# Altium PCB Motor_Controller.PcbDoc (part 2 of 2)
Units mm, origin at the board's own origin, x right, y up, seen from the top; angles counter-clockwise.
Board outline 87 x 70 mm, 4 copper layers (Top Layer, Layer 1, Layer 2, Bottom Layer), stack 0.603 mm thick; 105 components, 67 nets, 349 pads, 167 vias.
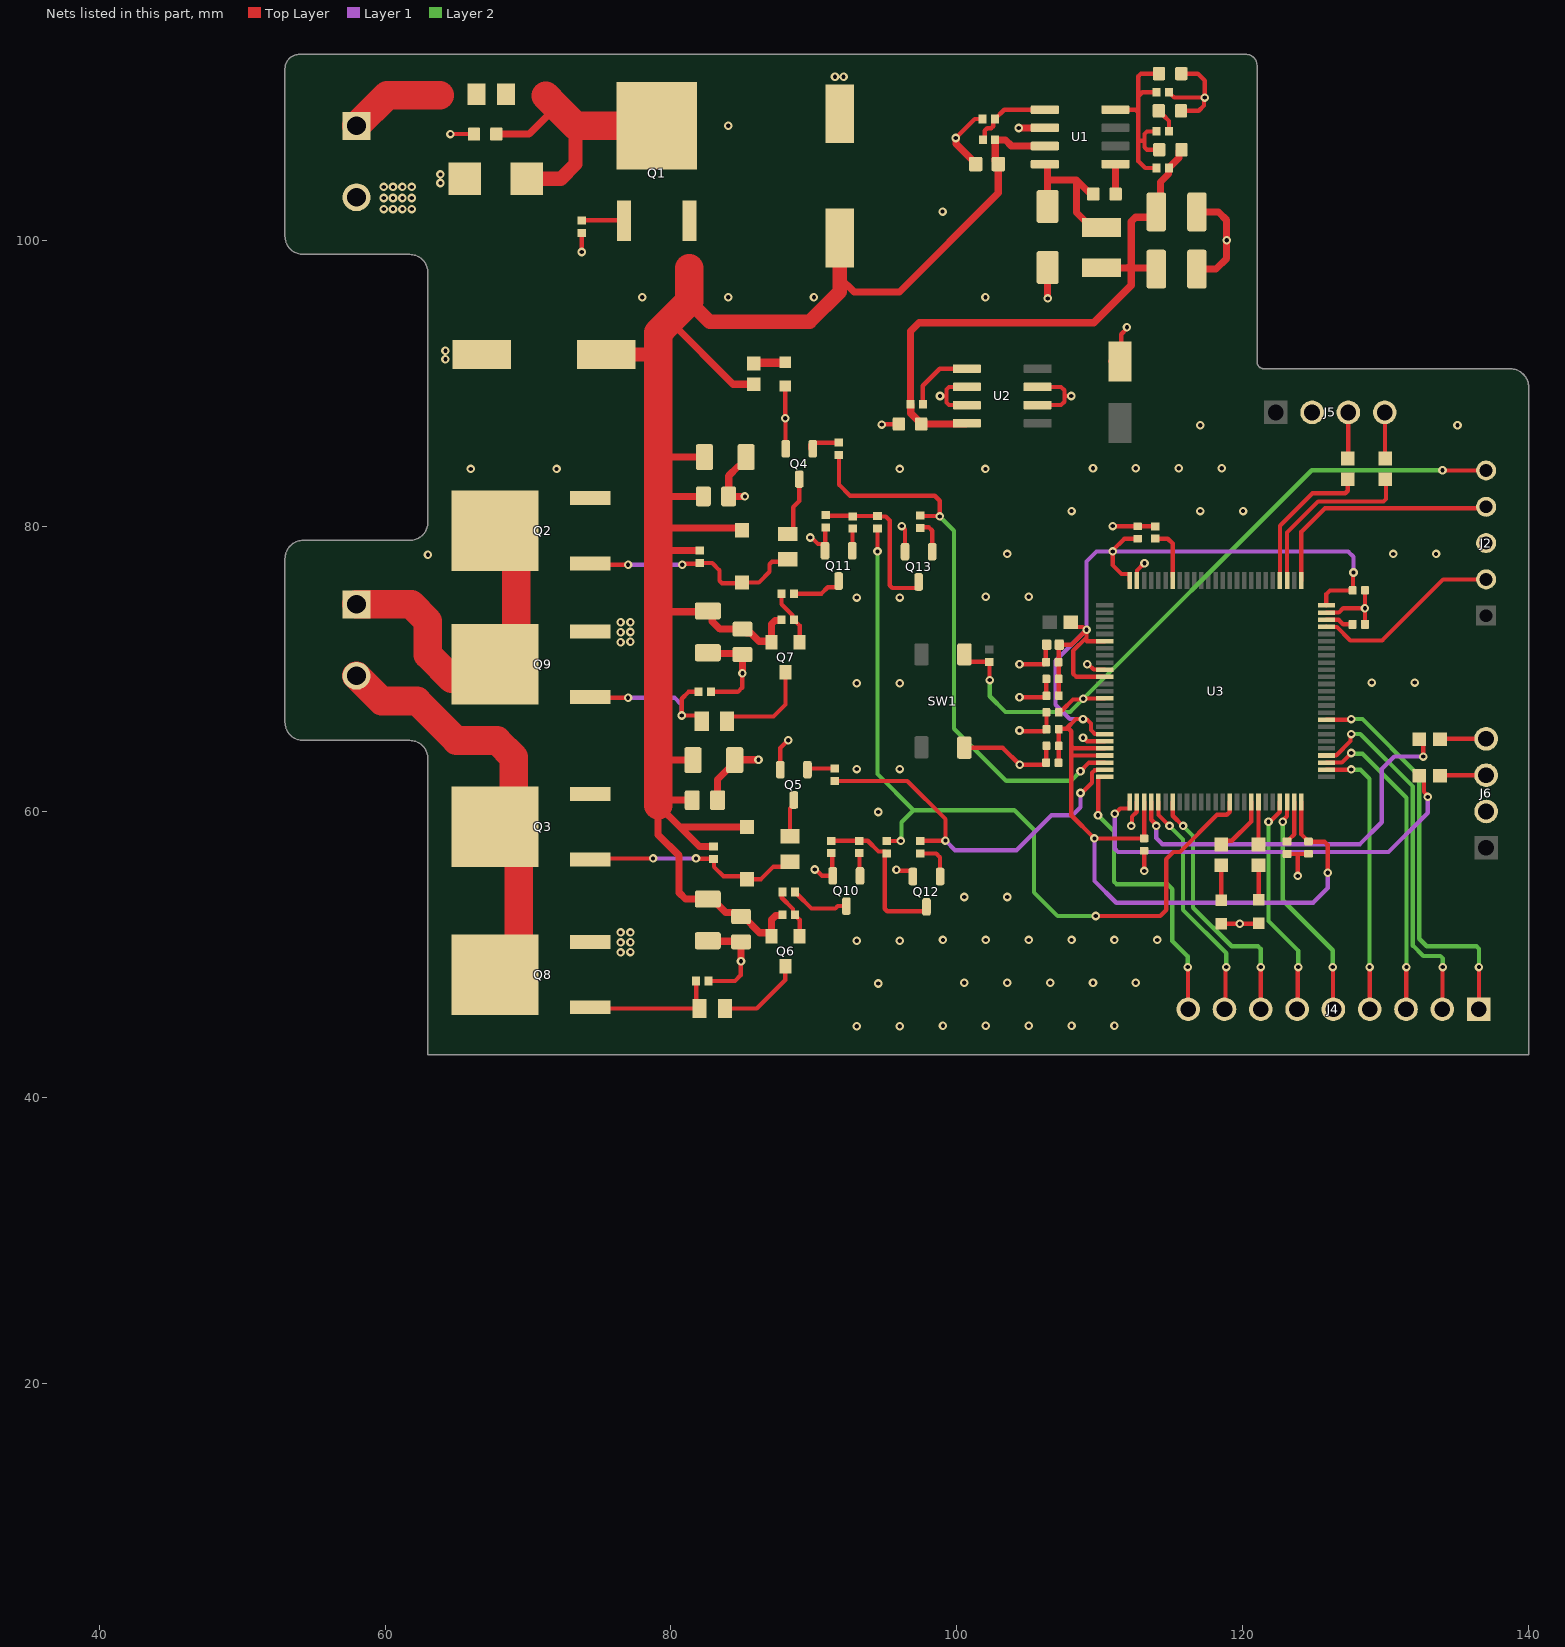
[diagram p4: the nets of this part, all layers, seen from the top]

## Via types
v1: diameter 0.6, hole 0.3, Top Layer to Bottom Layer, tented both sides, 137 vias
v2: diameter 0.6, hole 0.3, Top Layer to Bottom Layer, 30 vias

## Nets (pads, with @x,y where several pads share a name; then routed paths per layer and width w, separated by ;. In a path a pad name is that pad's centre, name@x,y a point inside that pad or via, vN(x,y) a via of type N, cw(c..) or ccw(c..) an arc to the next point about the centre after c; other vN are vias at no path point) (continued)
+5V: C2.2 C3.2 C4.2 C34.2 L1.2 R2.2 R7.1 U2.8 | length 42.4
  Top Layer w0.5: U2.8@100.65,87.145 99.965,87.145 99.955,87.135 C34.2@97.505,87.135 97.505,87.165 96.78,87.89 96.78,88.505 R7.1@96.75,88.535 96.75,93.632 97.343,94.225 109.575,94.225 112.2,96.85 112.2,98.065 ; L1.2@110.125,98.065 111.994,98.065 ; C4.2@113.954,97.975 113.864,98.065 112.2,98.065 ; C2.2@115.715,106.425 115.53,106.24 115.53,105.755 114.845,105.07 R2.2@114.845,105.05 114.815,105.02 114.815,104.64 114.25,104.075 114.25,102.271 C3.2@113.954,101.975 113.579,101.6 112.493,101.6 112.2,101.307 112.2,98.271 111.994,98.065 ; 111.994,98.065 112.2,98.065
+Vin: F1.2 J1.1 | length 6.7
  Top Layer w2: J1.1@58,108 60.15,110.15 63.814,110.15
+Vp: C5.1 C6.2 C25.1 C26.2 C27.2 C28.2 C29.2 C30.1 C31.2 C32.2 C33.1 D6.C D7.C Q1.3 Q2.3 Q3.3 Q6.2 Q7.2 R1.2 R8.2 R13.2 R14.2 R19.2 R20.2 U1.7 | length 145
  Top Layer w0.5: 79.1,63.725 79.2,63.625 C28.2@81.54,63.625 ; 79.1,74.003 C30.1@82.575,74.003 ; 79.1,78.285 R13.2@82,78.285 ; 79.1,79.8 79.175,79.875 84.8,79.875 D6.C@84.975,79.7 ; 79.1,82 79.175,82.075 C26.2@82.262,82.075 ; 79.1,84.75 79.175,84.825 C27.2@82.34,84.825 ; 79.85,94.275 80,94.275 84.35,89.925 R8.2@85.8,89.925 ; C29.2@81.487,60.825 79.45,60.825 79.1,60.475 ; C30.1@82.885,73.635 82.885,73.325 83.422,72.788 C33.1@85,72.788 85.275,72.513 85.587,72.513 86.158,71.942 86.973,71.942 Q7.2@87.04,71.875 ; R14.2@82.975,57.585 81.99,57.585 80.625,58.95 ; D7.C@85.325,58.95 80.625,58.95 ; Q6.2@87.04,51.3 Q6.2@87.04,51.375 ; Q7.2@87.04,71.95 87.04,73.157 87.283,73.4 87.71,73.4 87.74,73.43 R19.2@87.74,73.45 ; R20.2@87.805,52.8 87.805,52.78 87.775,52.75 87.333,52.75 87.04,52.457 Q6.2@87.04,51.375 ; 91.8,97.397 92.822,96.375 95.983,96.375 102.9,103.292 C6.2@102.9,105.325 102.685,105.54 R1.2@102.685,107.025 ; R1.2@102.715,107 103.4,107 103.8,106.6 106.145,106.6 U1.7@106.155,106.59 ; 79.1,60.475 80.625,58.95 ; 79.1,60.475 79.1,58.41 80.575,56.935 80.575,54.35 81.015,53.91 C31.2@82.575,53.91 82.885,53.91 83.832,52.963 84.625,52.963 C32.2@84.9,52.688 85.065,52.688 86.203,51.55 86.865,51.55 Q6.2@87.04,51.375
  Top Layer w1: C25.1@75.475,92 79.05,92 ; 79.1,92.05 79.05,92 ; 79.425,92 79.1,92 79.05,92 ; 81.29,95.715 82.705,94.3 89.7,94.3 91.8,96.4 91.8,97.397 C5.1@91.8,100.15
  Top Layer w2: 79.1,60.475 79.1,63.725 79.1,74.003 79.1,78.285 79.1,79.8 79.1,82 79.1,84.75 79.1,92 79.1,92.05 79.1,93.525 79.85,94.275 81.29,95.715 81.29,98.025
\n\R\S\T\: C24.2 J2.5 R10.1 SW1.4 U3.14 | length 50.3
  Top Layer w0.3: SW1.4@100.525,71.025 100.525,70.855 100.875,70.505 R10.1@102.275,70.505 102.287,70.492 102.287,69.238 v1(102.3,69.225) ; C24.2@107.132,66.975 107.132,66.994 107.252,67.114 107.372,67.114 108.125,67.868 108.793,67.868 108.865,67.94 110.34,67.94 U3.14@110.35,67.95 ; v1(133.975,83.9) 133.98,83.895 137.02,83.895 J2.5@137.025,83.89
  Layer 2 w0.3: v1(102.3,69.225) 102.3,68.1 103.4,67 107.925,67 124.825,83.9 v1(133.975,83.9)
  other v1: 108.85,67.925
GND: C3.1 C4.1 C5.2 C6.1 C7.1 C8.1 C9.2 C10.1 C11.1 C12.1 C13.1 C14.1 C15.1 C16.1 C17.1 C18.1 C19.1 C20.1 C21.1 C22.1 C23.1 C24.1 C25.2 C26.1 C27.1 C28.1 C29.1 C30.2 C31.1 C32.1 C33.2 C34.1 D1.A D2.A D3.C D4.C D5.C J1.2 J2.3 J5.2 J6.2 Q4.2 Q5.2 Q8.3 Q9.3 Q10.2 Q11.2 Q12.2 Q13.2 R3.1 R4.1 R6.1 R9.2 R29.2 R30.1 R31.2 R32.1 SW1.2 U1.6 U2.2 U2.3 U2.6 U2.7 U3.10 U3.20 U3.27 U3.74 U3.99 | length 119.5
  Top Layer w0.3: v1(64.575,107.425) C7.1@66.22,107.425 ; v1(73.75,99.175) R3.1@73.75,100.515 ; R30.1@82.635,48.175 84.475,48.175 84.875,48.575 84.875,49.525 v1(84.9,49.55) ; R29.2@82.785,68.4 84.682,68.4 84.981,68.699 v1@84.981,69.681 ; Q5.2@87.65,62.96 87.65,64.475 v1(88.2,65.025) ; D3.C@88,89.8 v1(88,87.55) 88.013,87.537 88.013,85.423 Q4.2@88.025,85.41 ; v1(89.75,79.2) 89.831,79.2 90.291,78.74 90.625,78.74 90.775,78.59 Q11.2@90.775,78.275 90.8,78.3 90.8,79.865 R31.2@90.825,79.89 ; v1(90.05,55.975) 90.131,55.975 90.571,55.535 Q10.2@91.325,55.535 91.275,55.585 91.275,57.065 R32.1@91.225,57.115 ; v1(94.75,87.1) 94.768,87.118 95.927,87.118 C34.1@95.945,87.135 ; v1(95.775,55.95) 95.832,55.893 96.775,55.893 96.925,55.743 Q12.2@96.925,55.485 ; v1(96.15,80) 96.375,79.775 Q13.2@96.375,78.21 ; v1(98.82,89.1) 99.275,89.1 ; v1(99.925,107.15) 101.25,108.475 R4.1@101.805,108.475 ; SW1.2@100.525,64.497 103.203,64.497 v1(104.4,63.3) 106.123,63.3 106.243,63.42 C13.1@106.243,63.45 ; U2.7@100.7,88.465 99.451,88.465 99.275,88.641 99.275,89.1 ; U2.6@100.7,89.735 99.451,89.735 99.275,89.559 99.275,89.1 ; v1(104.381,65.7) 104.431,65.65 106.148,65.65 106.268,65.77 C16.1@106.268,65.793 C24.1@106.268,66.964 ; v1(104.381,68.025) 106.193,68.025 C15.1@106.268,68.1 ; v1@104.381,70.275 104.462,70.275 104.52,70.332 106.123,70.332 106.243,70.452 C18.1@106.243,70.479 ; U2.2@105.65,88.465 107.29,88.465 107.525,88.7 107.525,89.1 ; U2.3@105.65,89.735 107.29,89.735 107.525,89.5 107.525,89.1 ; C18.1@106.229,70.493 106.229,71.643 C17.1@106.286,71.7 ; C13.1@106.255,63.45 106.255,64.612 C14.1@106.268,64.625 ; C15.1@106.263,68.105 C19.1@106.263,69.195 ; v1(108,89.1) 107.525,89.1 ; v1@108.775,65.2 108.856,65.2 109.106,64.95 U3.20@110.35,64.95 ; v1(109.125,70.325) 109.206,70.325 109.571,69.96 110.34,69.96 U3.10@110.35,69.95 ; C9.2@110.725,91.525 C9.2@111.375,92.175 ; v1(110.9,80) 110.909,79.991 112.641,79.991 C23.1@112.65,79.982 112.651,79.984 113.873,79.984 R9.2@113.875,79.985 ; C9.2@111.5,92.175 111.5,93.419 v1@111.9,93.819 ; v1@111.775,93.819 v1@111.775,93.9 ; v1(112.2,59.025) 112.257,59.082 112.257,59.673 112.59,60.006 112.59,60.69 U3.27@112.6,60.7 ; U3.99@112.6,76.2 112.61,76.21 112.61,76.894 113.116,77.4 v1(113.125,77.4) ; v1(113.1,55.875) C20.1@113.1,57.286 ; R6.1@114.835,110.35 114.835,110.33 114.965,110.2 114.985,110.2 115.21,109.975 v1(117.35,109.975) ; C8.1@115.68,109.05 116.924,109.05 117.293,109.418 117.293,109.918 v1(117.35,109.975) ; C10.1@115.7,111.65 116.85,111.65 117.35,111.15 v1(117.35,109.975) ; D5.C@118.512,52.188 D5.C@118.5,52.175 v1(119.8,52.175) 119.812,52.188 121.113,52.188 D4.C@121.125,52.2 ; C12.1@123.1,57.065 C12.1@123.1,57.065 123.85,57.067 ; v1(123.85,55.525) 123.85,57.067 ; C21.1@124.6,57.068 124.599,57.067 123.85,57.067 ; U3.74@125.85,73.95 126.725,73.95 127.025,74.25 v1(128.55,74.25) ; C22.1@128.55,75.5 v1(128.55,74.25) ; C11.1@128.553,73.125 128.551,73.127 128.551,74.249 v1(128.55,74.25)
  Top Layer w0.5: C31.1@82.575,50.99 82.614,50.951 84.861,50.951 C32.1@84.9,50.912 v1(84.9,49.55) ; C30.2@82.575,71.14 82.639,71.076 84.936,71.076 C33.2@85,71.012 85,70.587 v1(85,69.7) v1@84.981,69.681 ; C29.1@83.276,60.838 C29.1@83.263,60.825 83.263,62.265 83.963,62.965 84.11,62.965 84.46,63.315 C28.1@84.46,63.625 84.485,63.65 v1(86.125,63.65) ; v1(85.175,82.075) C26.1@84.038,82.075 84.038,83.515 84.688,84.165 84.91,84.165 85.26,84.515 C27.1@85.26,84.825 C27.1@85.285,84.8 ; v1(99.925,107.15) 99.944,107.131 99.944,106.741 101.32,105.365 C6.1@101.32,105.325 ; v1(104.325,107.85) 104.33,107.855 106.15,107.855 U1.6@106.155,107.86 ; v1(106.35,95.925) D1.A@106.35,98.09 ; C4.1@116.796,97.975 118.125,97.975 118.875,98.725 v1(118.875,100) 118.875,101.4 118.3,101.975 C3.1@116.796,101.975
  other v1: 93,45 96,45 99.025,45.05 102.025,45.05 105.025,45.05 108.025,45.05 111.025,45.05 94.5,48 100.525,48.05 103.525,48.05 106.525,48.05 109.525,48.05 112.525,48.05 93,51 96,51 99.025,51.05 102.025,51.05 105.025,51.05 108.025,51.05 111.025,51.05 114.025,51.05 100.525,54.05 103.525,54.05 94.5,60 93,63 96,63 108.825,65.2 93,69 96,69 129.025,69.05 132.025,69.05 104.381,70.325 93,75 96,75 102.025,75.05 105.025,75.05 63,78 103.525,78.05 130.525,78.05 133.525,78.05 108.025,81.05 117.025,81.05 120.025,81.05 66,84 72,84 96,84 102,84 109.525,84.05 112.525,84.05 115.525,84.05 118.525,84.05 117.025,87.05 135.025,87.05 111.9,93.9 78,96 84,96 90,96 102,96 99,102 84,108
  other v2: 76.475,50.175 77.164,50.2 76.475,50.875 77.164,50.888 76.475,51.575 77.164,51.575 76.475,71.875 77.164,71.9 76.475,72.575 77.164,72.588 76.475,73.275 77.164,73.275 64.225,91.675 64.225,92.275 59.9,102.175 60.557,102.175 61.214,102.175 61.87,102.175 59.9,102.95 60.557,102.95 61.214,102.95 61.87,102.95 59.9,103.725 60.557,103.725 61.214,103.725 61.87,103.725 63.875,104 63.875,104.6 91.475,111.425 92.075,111.425
LED_GREEN: R12.2 U3.43 | length 4.1
  Top Layer w0.3: R12.2@118.5,57.725 118.756,57.981 119.231,57.981 120.59,59.34 120.59,60.69 U3.43@120.6,60.7
LED_RED: R11.2 U3.44 | length 3
  Top Layer w0.3: R11.2@121.1,57.725 U3.44@121.1,60.7 U3.44@121.11,60.69
Motor_Backward: R18.2 R33.1 U3.24 | length 26.7
  Top Layer w0.3: R18.2@91.45,62.165 96.535,62.165 99.2,59.5 v1(99.2,58) 99.18,57.98 R33.1@97.45,57.98 ; v1@108.789,61.325 108.785,61.328 108.785,61.385 109.45,62.05 109.45,62.734 109.626,62.91 109.762,62.91 109.792,62.94 U3.24@110.34,62.94
  Layer 1 w0.3: v1(99.2,58) 99.875,57.325 104.175,57.325 106.625,59.775 108.1,59.775 108.65,60.325 v1(108.65,61.325)
Motor_Forward: R17.1 R34.1 U3.23 | length 39.9
  Top Layer w0.3: R17.1@91.75,84.965 91.75,82.9 92.525,82.125 98.449,82.125 98.8,81.774 v1(98.8,80.675) 98.77,80.705 97.48,80.705 R34.1@97.45,80.735 ; v1(108.65,62.85) 109.25,63.45 U3.23@110.35,63.45
  Layer 2 w0.3: v1(98.8,80.675) 99.8,79.675 99.8,65.825 103.45,62.175 107.975,62.175 v1(108.65,62.85)
Motor_Negative_Supply: J3.2 Q3.4 Q8.4 | length 28.7
  Top Layer w2: J3.2@58,69.525 59.763,67.762 62.238,67.762 65,65 67.828,65 69,63.828 69,59.24 69.265,58.975 69.34,58.9 Q8.4@69.34,48.625
Motor_Positive_Supply: J3.1 Q2.4 Q9.4 | length 25.1
  Top Layer w2: J3.1@58,74.525 61.828,74.525 63,73.353 63,71 64.675,69.325 69.19,69.325 69.19,79.6 Q2.4@69.265,79.675
NetC1_1: C1.1 U1.1 | length 2.1
  Top Layer w0.5: U1.1@111.095,105.32 111.105,105.31 C1.1@111.105,103.225
NetC1_2: C1.2 D1.C L1.1 U1.8 | length 11
  Top Layer w0.5: U1.8@106.155,105.32 106.3,105.32 106.35,105.27 106.35,104.3 ; D1.C@106.35,102.36 106.35,104.3 ; C1.2@109.345,103.225 109.345,103.255 109.16,103.44 109.13,103.44 108.37,104.2 ; L1.1@110.125,100.885 109.415,100.885 108.37,101.93 108.37,104.2 ; 106.35,104.3 106.45,104.2 108.37,104.2
NetC2_1: C2.1 C10.2 R2.1 R5.2 R6.2 U1.4 | length 15.4
  Top Layer w0.3: U1.4@111.095,109.13 112.494,109.13 112.67,108.954 112.7,108.984 ; R5.2@113.965,107.625 113.94,107.6 113.301,107.6 113.125,107.424 113.125,106.962 ; R6.2@113.965,110.35 112.975,110.35 112.7,110.075 ; R2.1@113.975,105.05 113.175,105.05 112.7,105.525 112.7,106.962 ; C10.2@114.14,111.65 112.876,111.65 112.7,111.474 112.7,110.075 ; C2.1@114.155,106.325 113.301,106.325 113.125,106.501 113.125,106.962 ; 112.7,106.962 112.7,108.984 ; 112.7,106.962 113.125,106.962 ; 112.7,108.984 112.7,110.075
NetC7_2: C7.2 D2.C F1.1 Q1.4 | length 19.5
  Top Layer w0.5: C7.2@67.78,107.425 70.082,107.425 71.516,108.859
  Top Layer w1: D2.C@69.909,104.3 72.3,104.3 73.325,105.325 73.325,108.01
  Top Layer w2: 71.23,110.105 71.996,109.339 73.325,108.01 Q1.4@79,108.01
NetC8_2: C8.2 R5.1 | length 1.7
  Top Layer w0.3: C8.2@114.12,109.05 114.12,109.02 114.405,108.735 114.435,108.735 114.835,108.335 R5.1@114.835,107.625
NetD3_A: D3.A R8.1 | length 2.2
  Top Layer w0.6: R8.1@85.8,91.375 85.837,91.412 87.962,91.412 D3.A@88,91.45
NetD4_A: D4.A R11.1 | length 2.4
  Top Layer w0.3: R11.1@121.1,56.275 121.125,56.25 D4.A@121.125,53.85
NetD5_A: D5.A R12.1 | length 2.5
  Top Layer w0.3: D5.A@118.5,53.825 R12.1@118.5,56.275
NetD6_1: D6.A Q2.1 R13.1 R15.2 | length 15.9
  Top Layer w0.3: Q2.1@74.415,77.385 74.5,77.3 v1(77,77.3) ; v1(80.8,77.3) 80.857,77.357 81.943,77.357 R13.1@82,77.415 82.885,77.415 83.4,76.9 83.4,76.176 83.576,76 84.925,76 D6.A@84.975,76.05 86.15,76.05 86.9,76.8 86.9,77.324 87.076,77.5 88,77.5 R15.2@88.175,77.675
  Layer 1 w0.3: v1(77,77.3) v1(80.8,77.3)
NetD7_1: D7.A Q3.1 R14.1 R16.1 | length 15.3
  Top Layer w0.3: Q3.1@74.415,56.685 74.48,56.75 v1(78.75,56.75) ; v1(81.75,56.75) 81.767,56.733 82.958,56.733 83.015,56.675 83.015,56.161 83.676,55.5 85.125,55.5 D7.A@85.325,55.3 86.3,55.3 87.175,56.175 87.975,56.175 R16.1@88.325,56.525
  Layer 1 w0.3: v1(78.75,56.75) v1(81.75,56.75)
NetJ4_1: J4.1 U3.59 | length 28.3
  Top Layer w0.3: U3.59@125.85,66.45 127.55,66.45 v1@127.59,66.49 ; J4.1@136.502,46.2 136.525,46.223 v1@136.525,49.25
  Layer 2 w0.3: v1(127.6,66.5) 128.375,66.5 132.35,62.525 132.35,51.125 132.875,50.6 136.349,50.6 136.525,50.424 v1@136.525,49.25
  other v1: 136.525,49.15
NetJ4_2: J4.2 U3.54 | length 25.5
  Top Layer w0.3: U3.54@125.85,63.95 125.86,63.96 126.544,63.96 127.543,64.958 127.543,65.393 v1(127.6,65.45) ; J4.2@133.962,46.2 133.981,46.219 133.981,49.181 v1@134,49.2
  Layer 2 w0.3: v1@127.725,65.45 128.225,65.45 131.9,61.775 131.9,50.65 132.625,49.925 133.824,49.925 134,49.749 v1@134,49.2
  other v1: 134,49.15
NetJ4_3: J4.3 U3.53 | length 22.1
  Top Layer w0.3: U3.53@125.85,63.45 125.86,63.46 126.935,63.46 v1(127.6,64.125) ; J4.3@131.422,46.2 131.436,46.214 131.436,49.286 v1@131.45,49.3
  Layer 2 w0.3: v1(127.6,64.125) 127.657,64.068 128.382,64.068 131.45,61 v1(131.45,49.15)
NetJ4_4: J4.4 U3.52 | length 19.4
  Top Layer w0.3: U3.52@125.85,62.95 127.575,62.95 v1(127.6,62.975) ; v1(128.875,49.15) 128.879,49.146 128.879,46.204 J4.4@128.882,46.2
  Layer 2 w0.3: v1(127.6,62.975) 127.618,62.957 128.243,62.957 128.875,62.325 v1(128.875,49.15)
NetJ4_5: J4.5 U3.48 | length 16.1
  Top Layer w0.3: v1(122.8,59.325) 122.8,59.406 123.09,59.696 123.09,60.69 U3.48@123.1,60.7 ; v1(126.3,49.15) 126.321,49.129 126.321,46.221 J4.5@126.342,46.2
  Layer 2 w0.3: v1(122.8,59.325) 122.8,53.825 126.3,50.325 v1(126.3,49.15)
NetJ4_6: J4.6 U3.47 | length 15.8
  Top Layer w0.3: v1(121.8,59.325) 121.857,59.382 121.967,59.382 122.59,60.006 122.59,60.69 U3.47@122.6,60.7 ; J4.6@123.802,46.2 123.839,46.236 123.839,49.114 v1(123.875,49.15)
  Layer 2 w0.3: v1(121.8,59.325) 121.8,52.375 123.875,50.3 v1(123.875,49.15)
NetJ4_7: J4.7 U3.32 | length 18.1
  Top Layer w0.3: U3.32@115.1,60.7 115.11,60.69 115.11,59.74 v1(115.825,59.025) ; v1(121.25,49.15) 121.256,49.144 121.256,46.206 J4.7@121.262,46.2
  Layer 2 w0.3: v1(115.825,59.025) 116.525,58.325 116.525,53.3 119.225,50.6 121.074,50.6 121.25,50.424 v1(121.25,49.15)
NetJ4_8: J4.8 U3.30 | length 16.4
  Top Layer w0.3: U3.30@114.1,60.7 114.11,60.69 114.11,59.79 v1(114.875,59.025) ; J4.8@118.722,46.2 118.793,46.27 118.793,49.018 v1@118.85,49.075
  Layer 2 w0.3: v1(114.875,59.025) 115.825,58.075 115.825,53.15 118.85,50.125 v1(118.85,49.15)
NetJ4_9: J4.9 U3.25 | length 21.3
  Top Layer w0.3: v1(109.875,59.775) 109.9,59.8 109.9,62.44 109.91,62.45 U3.25@110.35,62.45 ; v1@116.15,49.025 116.166,49.009 116.166,46.216 J4.9@116.182,46.2
  Layer 2 w0.3: v1(109.875,59.775) 111,58.65 111,55.126 111.176,54.95 114.725,54.95 115.075,54.6 115.075,50.975 116.15,49.9 v1(116.15,49.15)
NetJ5_3: J5.3 R35.1 | length 3.2
  Top Layer w0.3: R35.1@127.35,84.725 127.39,84.765 J5.3@127.39,87.95
NetJ5_4: J5.4 R37.1 | length 3.2
  Top Layer w0.3: R37.1@129.953,84.748 J5.4@129.953,87.928
  Top Layer w0.5: J5.4@129.93,87.95 J5.4@129.953,87.928 ; R37.1@129.953,84.748 R37.1@129.975,84.725
NetJ6_3: J6.3 R36.1 | length 3.5
  Top Layer w0.3: R36.1@133.825,62.475 133.925,62.575 J6.3@137.025,62.575 ; R36.1@133.825,62.525 R36.1@133.955,62.395 ; R36.1@133.825,62.8 R36.1@133.875,62.85
NetJ6_4: J6.4 R38.1 | length 3.2
  Top Layer w0.3: R38.1@133.8,65.1 133.815,65.115 J6.4@137.025,65.115
NetQ1_1: Q1.1 R3.2 | length 3
  Top Layer w0.3: R3.2@73.75,101.385 76.685,101.385 Q1.1@76.71,101.36
NetQ4_1: Q4.1 R17.2 | length 2.2
  Top Layer w0.3: Q4.1@89.75,85.41 89.75,85.685 89.9,85.835 R17.2@91.575,85.835
NetQ4_3: Q4.3 R15.1 | length 4.2
  Top Layer w0.3: R15.1@88.175,79.45 88.55,79.825 88.55,81.325 88.975,81.75 Q4.3@88.975,83.29
NetQ5_1: Q5.1 R18.1 | length 1.9
  Top Layer w0.3: Q5.1@89.55,62.96 89.625,63.035 R18.1@91.45,63.035
NetQ5_3: Q5.3 R16.2 | length 2.7
  Top Layer w0.3: R16.2@88.325,58.3 88.325,60.25 88.6,60.525 Q5.3@88.6,60.84
NetQ6_1: Q6.1 R20.1 R22.1 | length 3.6
  Top Layer w0.3: R22.1@87.815,54.4 87.75,54.335 87.75,54 88.545,53.205 88.545,52.93 R20.1@88.675,52.8 88.675,52.78 89,52.455 Q6.1@89,51.3
NetQ6_3: Q6.3 R24.2 | length 6
  Top Layer w0.3: R24.2@83.775,46.25 86,46.25 88,48.25 88,49.18 Q6.3@88.02,49.2
NetQ7_1: Q7.1 R19.1 R21.2 | length 3.9
  Top Layer w0.3: R21.2@87.74,75.275 87.74,74.525 88.48,73.785 88.48,73.56 89,73.04 Q7.1@89,71.875
NetQ7_3: Q7.3 R23.1 | length 6.7
  Top Layer w0.3: R23.1@83.925,66.675 87.175,66.675 88.02,67.52 Q7.3@88.02,69.775
NetQ8_1: Q8.1 R24.1 R30.2 | length 9.6
  Top Layer w0.3: Q8.1@74.49,46.335 74.575,46.25 R24.1@82,46.25 81.765,46.485 R30.2@81.765,48.175
NetQ9_1: Q9.1 R23.2 R29.1 | length 11.3
  Top Layer w0.3: Q9.1@74.34,68.035 74.375,68 v1(77,68) ; R29.1@81.915,68.4 81.225,68.4 80.75,67.925 v1(80.75,66.75) 82.075,66.75 R23.2@82.15,66.675
  Layer 1 w0.3: v1(77,68) 80.25,68 80.75,67.5 v1(80.75,66.75)
NetQ10_1: Q10.1 R28.1 | length 1.6
  Top Layer w0.3: R28.1@93.167,57.115 93.196,57.086 93.196,55.564 Q10.1@93.225,55.535
NetQ10_3: Q10.3 R22.2 | length 4.1
  Top Layer w0.3: R22.2@88.685,54.4 88.685,54.38 88.815,54.25 88.835,54.25 89.835,53.25 91.5,53.25 91.665,53.415 Q10.3@92.275,53.415
NetQ11_1: Q11.1 R25.2 | length 1.6
  Top Layer w0.3: Q11.1@92.675,78.275 92.7,78.3 92.7,79.79 R25.2@92.725,79.815
NetQ11_3: Q11.3 R21.1 | length 3.6
  Top Layer w0.3: R21.1@88.61,75.275 90.525,75.275 90.975,75.725 91.575,75.725 91.725,75.875 Q11.3@91.725,76.155
NetQ12_1: Q12.1 R33.2 | length 2.8
  Top Layer w0.3: R33.2@97.45,57.09 98.559,57.09 98.825,56.824 Q12.1@98.825,55.485
NetQ12_3: Q12.3 R27.2 R28.2 R32.2 | length 11.4
  Top Layer w0.3: R32.2@91.225,57.985 R28.2@93.167,57.985 93.765,57.985 94.515,57.235 94.978,57.235 R27.2@95.108,57.105 95.088,57.105 94.958,56.975 94.958,53.226 95.134,53.05 97.725,53.05 97.875,53.2 Q12.3@97.875,53.365
NetQ13_1: Q13.1 R34.2 | length 2.4
  Top Layer w0.3: R34.2@97.45,79.865 97.51,79.925 98.025,79.925 98.275,79.675 Q13.1@98.275,78.21
NetQ13_3: Q13.3 R25.1 R26.1 R31.1 | length 11.6
  Top Layer w0.3: R31.1@90.825,80.76 90.863,80.723 92.688,80.723 R25.1@92.725,80.685 92.738,80.697 94.438,80.697 R26.1@94.45,80.71 94.488,80.672 95.024,80.672 95.3,80.396 95.3,75.851 95.476,75.675 97.175,75.675 97.325,75.825 Q13.3@97.325,76.09
NetR1_1: R1.1 R4.2 U1.5 | length 5.7
  Top Layer w0.3: R1.1@101.815,107.025 101.945,107.155 101.945,107.649 102.121,107.825 102.399,107.825 102.545,107.971 102.545,108.345 R4.2@102.675,108.475 ; R4.2@102.665,108.485 103.31,109.13 U1.5@106.155,109.13
NetR7_2: R7.2 U2.5 | length 4.9
  Top Layer w0.3: R7.2@97.62,88.535 97.62,89.82 98.805,91.005 U2.5@100.7,91.005
NetR9_1: R9.1 U3.94 | length 3.7
  Top Layer w0.3: R9.1@113.875,79.115 114.76,79.115 115.1,78.775 U3.94@115.1,76.475
NetR26_2: R26.2 R27.1 U3.40 | length 57.8
  Top Layer w0.3: v1(94.45,78.225) R26.2@94.45,79.84 ; R27.1@95.108,57.975 v1(96.075,57.975) ; v1(109.725,52.725) 114.225,52.725 114.65,53.15 114.65,56.7 115.15,57.2 115.6,57.2 118.2,59.8 118.884,59.8 119.09,60.006 119.09,60.69 U3.40@119.1,60.7
  Layer 2 w0.3: v1(94.45,78.225) 94.45,62.65 96.975,60.125 ; v1(96.075,57.975) 96.125,58.025 96.125,59.275 96.975,60.125 ; v1(109.725,52.725) 107.05,52.725 105.4,54.375 105.4,58.75 104.025,60.125 96.975,60.125
NetR35_2: R35.2 U3.79 | length 10.4
  Top Layer w0.3: U3.79@122.6,76.2 122.6,80.025 124.875,82.3 127.174,82.3 127.35,82.476 R35.2@127.35,83.275
NetR36_2: R36.2 U3.26 | length 30.1
  Top Layer w0.3: v1(111.05,59.875) 111.425,60.25 112.09,60.25 112.1,60.26 U3.26@112.1,60.7 ; R36.2@132.3,62.475 132.4,62.475 132.675,62.2 132.675,61.406 132.95,61.131 v1(132.95,61.05)
  Layer 1 w0.3: v1(111.05,59.875) 111.05,57.425 111.275,57.2 130.2,57.2 132.95,59.95 v1(132.95,61.05)
NetR37_2: R37.2 U3.78 | length 12.6
  Top Layer w0.3: U3.78@123.1,76.2 123.1,79.55 125.275,81.725 129.849,81.725 130.025,81.901 130.025,83.225 R37.2@129.975,83.275
NetR38_2: R38.2 U3.29 | length 27.7
  Top Layer w0.3: U3.29@113.6,60.7 113.6,59.456 113.95,59.106 v1(113.95,59.025) ; R38.2@132.35,65.1 132.625,64.825 v1(132.625,63.875)
  Layer 1 w0.3: v1(113.95,59.025) 113.95,58.175 114.375,57.75 128.2,57.75 129.725,59.275 129.725,63 130.6,63.875 v1@132.714,63.875
SW_CLK: J2.4 U3.76 | length 17
  Top Layer w0.3: U3.76@124.1,76.2 124.1,79.6 125.75,81.25 136.925,81.25 J2.4@137.025,81.35
SW_DIO: J2.2 U3.72 | length 13.3
  Top Layer w0.3: U3.72@125.85,72.95 125.86,72.94 126.585,72.94 127.525,72 129.75,72 134.02,76.27 J2.2@137.025,76.27
VCAP_1: C12.2 U3.49 | length 3
  Top Layer w0.3: C12.2@123.1,57.935 123.135,57.935 123.265,58.065 123.265,58.1 123.6,58.435 U3.49@123.6,60.7
VCAP_2: C11.2 U3.73 | length 2
  Top Layer w0.3: U3.73@125.85,73.45 125.86,73.44 126.721,73.44 127.036,73.125 C11.2@127.683,73.125
VCC: C13.2 C14.2 C15.2 C16.2 C17.2 C18.2 C19.2 C20.2 C21.2 C22.2 C23.2 FB1.2 U3.6 U3.11 U3.19 U3.21 U3.22 U3.28 U3.50 U3.75 U3.100 | length 109.9
  Top Layer w0.3: C13.2@107.107,63.45 107.119,63.462 107.119,64.609 C14.2@107.132,64.621 C16.2@107.132,65.793 ; C16.2@107.132,65.825 107.65,65.825 ; C15.2@107.132,68.136 C19.2@107.132,69.307 107.119,69.32 107.119,70.466 C18.2@107.107,70.479 107.135,70.507 107.135,71.672 C17.2@107.164,71.7 108.025,71.7 v1(109.075,72.75) 109.075,72.215 ; FB1.2@107.96,73.275 108.295,72.94 108.804,72.94 ; v1(108.825,66.5) 108.325,66.5 107.65,65.825 ; 109.132,66.443 109.379,66.196 109.379,65.737 109.656,65.46 110.34,65.46 U3.19@110.35,65.45 ; U3.22@110.35,63.95 108,63.95 ; U3.21@110.35,64.45 108.15,64.45 108,64.6 ; U3.11@110.35,69.45 108.36,69.45 108.135,69.675 108.135,71.275 109.075,72.215 ; U3.6@110.35,71.95 109.1,71.95 109.075,71.975 109.075,72.215 ; U3.100@112.1,76.2 112.1,76.64 112.09,76.65 111.525,76.65 110.9,77.275 v1(110.9,78.225) 110.9,78.3 111.718,79.118 C23.2@112.65,79.118 ; U3.28@113.1,60.7 C20.2@113.1,58.15 v1(109.625,58.15) 108,59.775 108,63.95 ; U3.50@124.1,60.7 124.1,58.432 124.45,58.082 C21.2@124.45,58.052 ; C21.2@124.63,57.932 124.637,57.925 125.725,57.925 125.95,57.7 v1(125.95,55.75) ; U3.75@125.85,74.45 125.85,75.25 126.1,75.5 C22.2@127.686,75.5 127.718,75.532 127.718,76.718 v1(127.75,76.75) ; 107.65,65.825 107.824,65.825 108,65.649 108,64.6 ; 108,63.95 108,64.6
  Layer 1 w0.3: v1(108.825,66.5) 107.902,66.5 106.9,67.502 106.9,70.575 v1(109.075,72.75) 109.075,77.525 109.775,78.225 v1@110.85,78.225 ; v1(109.625,58.15) 109.625,55.175 111.15,53.65 124.925,53.65 125.95,54.675 v1(125.95,55.75) ; v1(110.9,78.225) 127.125,78.225 127.374,78.225 127.75,77.849 v1(127.75,76.75)
pads on no net: SW1.1 SW1.3 U1.2 U1.3 U2.4 U3.1 U3.2 U3.3 U3.4 U3.5 U3.7 U3.8 U3.9 U3.12 U3.13 U3.15 U3.16 U3.17 U3.18 U3.31 U3.33 U3.34 U3.35 U3.36 U3.37 U3.38 U3.39 U3.41 U3.42 U3.45 U3.46 U3.51 U3.55 U3.56 U3.57 U3.58 U3.60 U3.61 U3.62 U3.63 U3.64 U3.65 U3.66 U3.67 U3.68 U3.69 U3.70 U3.71 U3.77 U3.80 U3.81 U3.82 U3.83 U3.84 U3.85 U3.86 U3.87 U3.88 U3.89 U3.90 U3.91 U3.92 U3.93 U3.95 U3.96 U3.97 U3.98

## Polygon pours and split planes (outlines as drawn)
GND on Bottom Layer "GND_L04_P003" (solid, remove dead copper, pour order 3): 54,112 140,112 139,111 139,44 55,44 54,45
GND on Layer 1 "GND_L02_P001" (solid, remove dead copper, pour order 1): 54,112 140,112 139,111 139,44 55,44 54,45

## Keep-outs
Keep-Out Layer:
  lines w0.254: 53,66.27 ccw(c54.27,66.27) 54.27,65 61.73,65 cw(c61.73,63.73) 63,63.73 63,43 140,43 140,89.73 ccw(c138.73,89.73) 138.73,91 121.5,91 cw(c121.5,91.5) 121,91.5 121,112.23 ccw(c120.23,112.23) 120.23,113 113.73,113 113,113 54,113 ccw(c54,112) 53,112 53,100.27 ccw(c54.27,100.27) 54.27,99 61.73,99 cw(c61.73,97.73) 63,97.73 63,80.27 cw(c61.73,80.27) 61.73,79 54.27,79 ccw(c54.27,77.73) 53,77.73 53,66.27

## Other copper
Top Layer:
  rectangle net GND: 72.8,49.725 77.775,52.025
  rectangle net GND: 72.8,71.425 77.775,73.725
  rectangle net +Vp: 72.8,80.8 79.8,83
  region net GND: 91.05,111.95 91.05,109.35 92.55,109.35 92.55,111.95
  rectangle net GND: 63.7,91.325 66.3,92.7
  rectangle net GND: 63.5,103.675 66.1,104.925
  rectangle net GND: 57,101.075 62.925,104.6
  rectangle net +Vp: 72.8,60.1 79.8,62.3
  rectangle net NetC7_2: 67.725,109.325 71.1,111.1
  rectangle net +Vin: 63.775,109.325 67.15,111.1
  region net +Vp: 82.3,96.87 82.3,102.856 80.275,102.856 80.275,96.87
  region: 39.067,6.873 39.055,6.873 39.055,6.885 39.067,6.885
  region: 39.369,6.559 39.369,6.547 39.357,6.547 39.357,6.559
  region: 40.708,7.946 40.732,7.946 40.732,7.934 40.708,7.934
  region: 40.394,7.777 40.43,7.777 40.43,7.765 40.394,7.765
  region: 39.055,6.571 39.067,6.571 39.067,6.547 39.055,6.547 39.055,6.559
  region: 40.455,7.826 40.455,7.838 40.467,7.838 40.467,7.826
  region: 39.116,6.921 39.104,6.921 39.104,6.897 39.079,6.897 39.079,6.909 39.092,6.909 39.092,6.933 39.116,6.933
  region: 38.428,6.028 38.428,6.04 38.404,6.04 38.404,6.065 38.464,6.065 38.464,6.028 38.44,6.028
  region: 38.718,5.63 38.79,5.63 38.79,5.618 38.778,5.618 38.778,5.606 38.766,5.606 38.766,5.618 38.742,5.618 38.742,5.606 38.73,5.606 38.73,5.618 38.718,5.618
  region: 38.706,5.353 38.706,5.365 38.693,5.365 38.693,5.401 38.706,5.401 38.706,5.413 38.766,5.413 38.766,5.401 38.778,5.401 38.778,5.317 38.766,5.317 38.766,5.341 38.754,5.341 38.754,5.329 38.706,5.329 38.706,5.341
  region: 39.26,6.704 39.272,6.704 39.272,6.692 39.236,6.692 39.236,6.704 39.248,6.704
  region: 40.575,7.536 40.563,7.536 40.563,7.572 40.575,7.572 40.575,7.56 40.587,7.56 40.587,7.536
  region: 39.164,6.849 39.212,6.849 39.212,6.812 39.2,6.812 39.2,6.8 39.176,6.8 39.176,6.812 39.164,6.812 39.164,6.837 39.152,6.837 39.152,6.849
  region: 40.901,8.151 40.901,8.163 40.913,8.163 40.913,8.176 40.925,8.176 40.925,8.139 40.901,8.139
  region: 39.393,6.788 39.381,6.788 39.381,6.812 39.393,6.812 39.393,6.8
  region: 39.176,6.704 39.176,6.716 39.188,6.716 39.188,6.74 39.212,6.74 39.212,6.692 39.188,6.692 39.188,6.704
  region: 40.672,7.645 40.672,7.681 40.66,7.681 40.66,7.717 40.684,7.717 40.684,7.705 40.696,7.705 40.696,7.693 40.708,7.693 40.708,7.669 40.696,7.669 40.696,7.633 40.672,7.633
  region: 38.79,6.475 38.802,6.475 38.802,6.499 38.814,6.499 38.814,6.463 38.802,6.463 38.802,6.451 38.79,6.451 38.79,6.439 38.766,6.439 38.766,6.451 38.778,6.451 38.778,6.475

## Silkscreen, mask and mechanical layers (free items; w line width, h text height)
Top Overlay:
  drawing of 650 lines, arcs and shapes, not listed
  text "+12V" at 53.45,109.675 h0.8 r270
  text "GND" at 53.45,104 h0.8 r270
  text "3V3" at 122.51,89.655 h0.4 r90
  text "GND" at 125.05,89.655 h0.4 r90
  text "RX" at 127.59,89.655 h0.4 r90
  text "TX" at 130.13,89.655 h0.4 r90
  text "NRST" at 138.73,83.74 h0.3
  text "SWCLK" at 138.71,81.238 h0.23
  text "GND" at 138.73,78.61 h0.4
  text "SWDIO" at 138.71,76.158 h0.23
  text "OUT1" at 53.4,75.9 h0.8 r270
  text "3V3" at 138.73,73.53 h0.4
  text "OUT2" at 53.4,70.875 h0.8 r270
  text "EPB" at 138.73,64.915 h0.4
  text "EPA" at 138.73,62.375 h0.4
  text "GND" at 138.73,59.835 h0.4
  text "3V3" at 138.73,57.295 h0.4
  text "HY MotorControl V1.00" at 97.02,44.675 h0.7
  text "PA2" at 116.382,43.455 h0.4 r90
  text "PA5" at 118.922,43.455 h0.4 r90
  text "PA7" at 121.462,43.463 h0.4 r90
  text "PB11" at 126.542,43.263 h0.4 r90
  text "PB10" at 124.002,43.13 h0.4 r90
  text "PB13" at 129.082,43.13 h0.4 r90
  text "PB14" at 131.622,43.13 h0.4 r90
  text "PB15" at 134.162,43.13 h0.4 r90
  text "PD12" at 136.702,43.13 h0.4 r90

## Dimensions
140.05,41.8 to 53,42 on Top Layer
145,113.254 to 144,43.254 on Top Layer